# KiCad board ika_left.kicad_pcb
title: KEYBOARD_NAME_HERE; rev: VERSION_HERE; company: YOUR_NAME_HERE
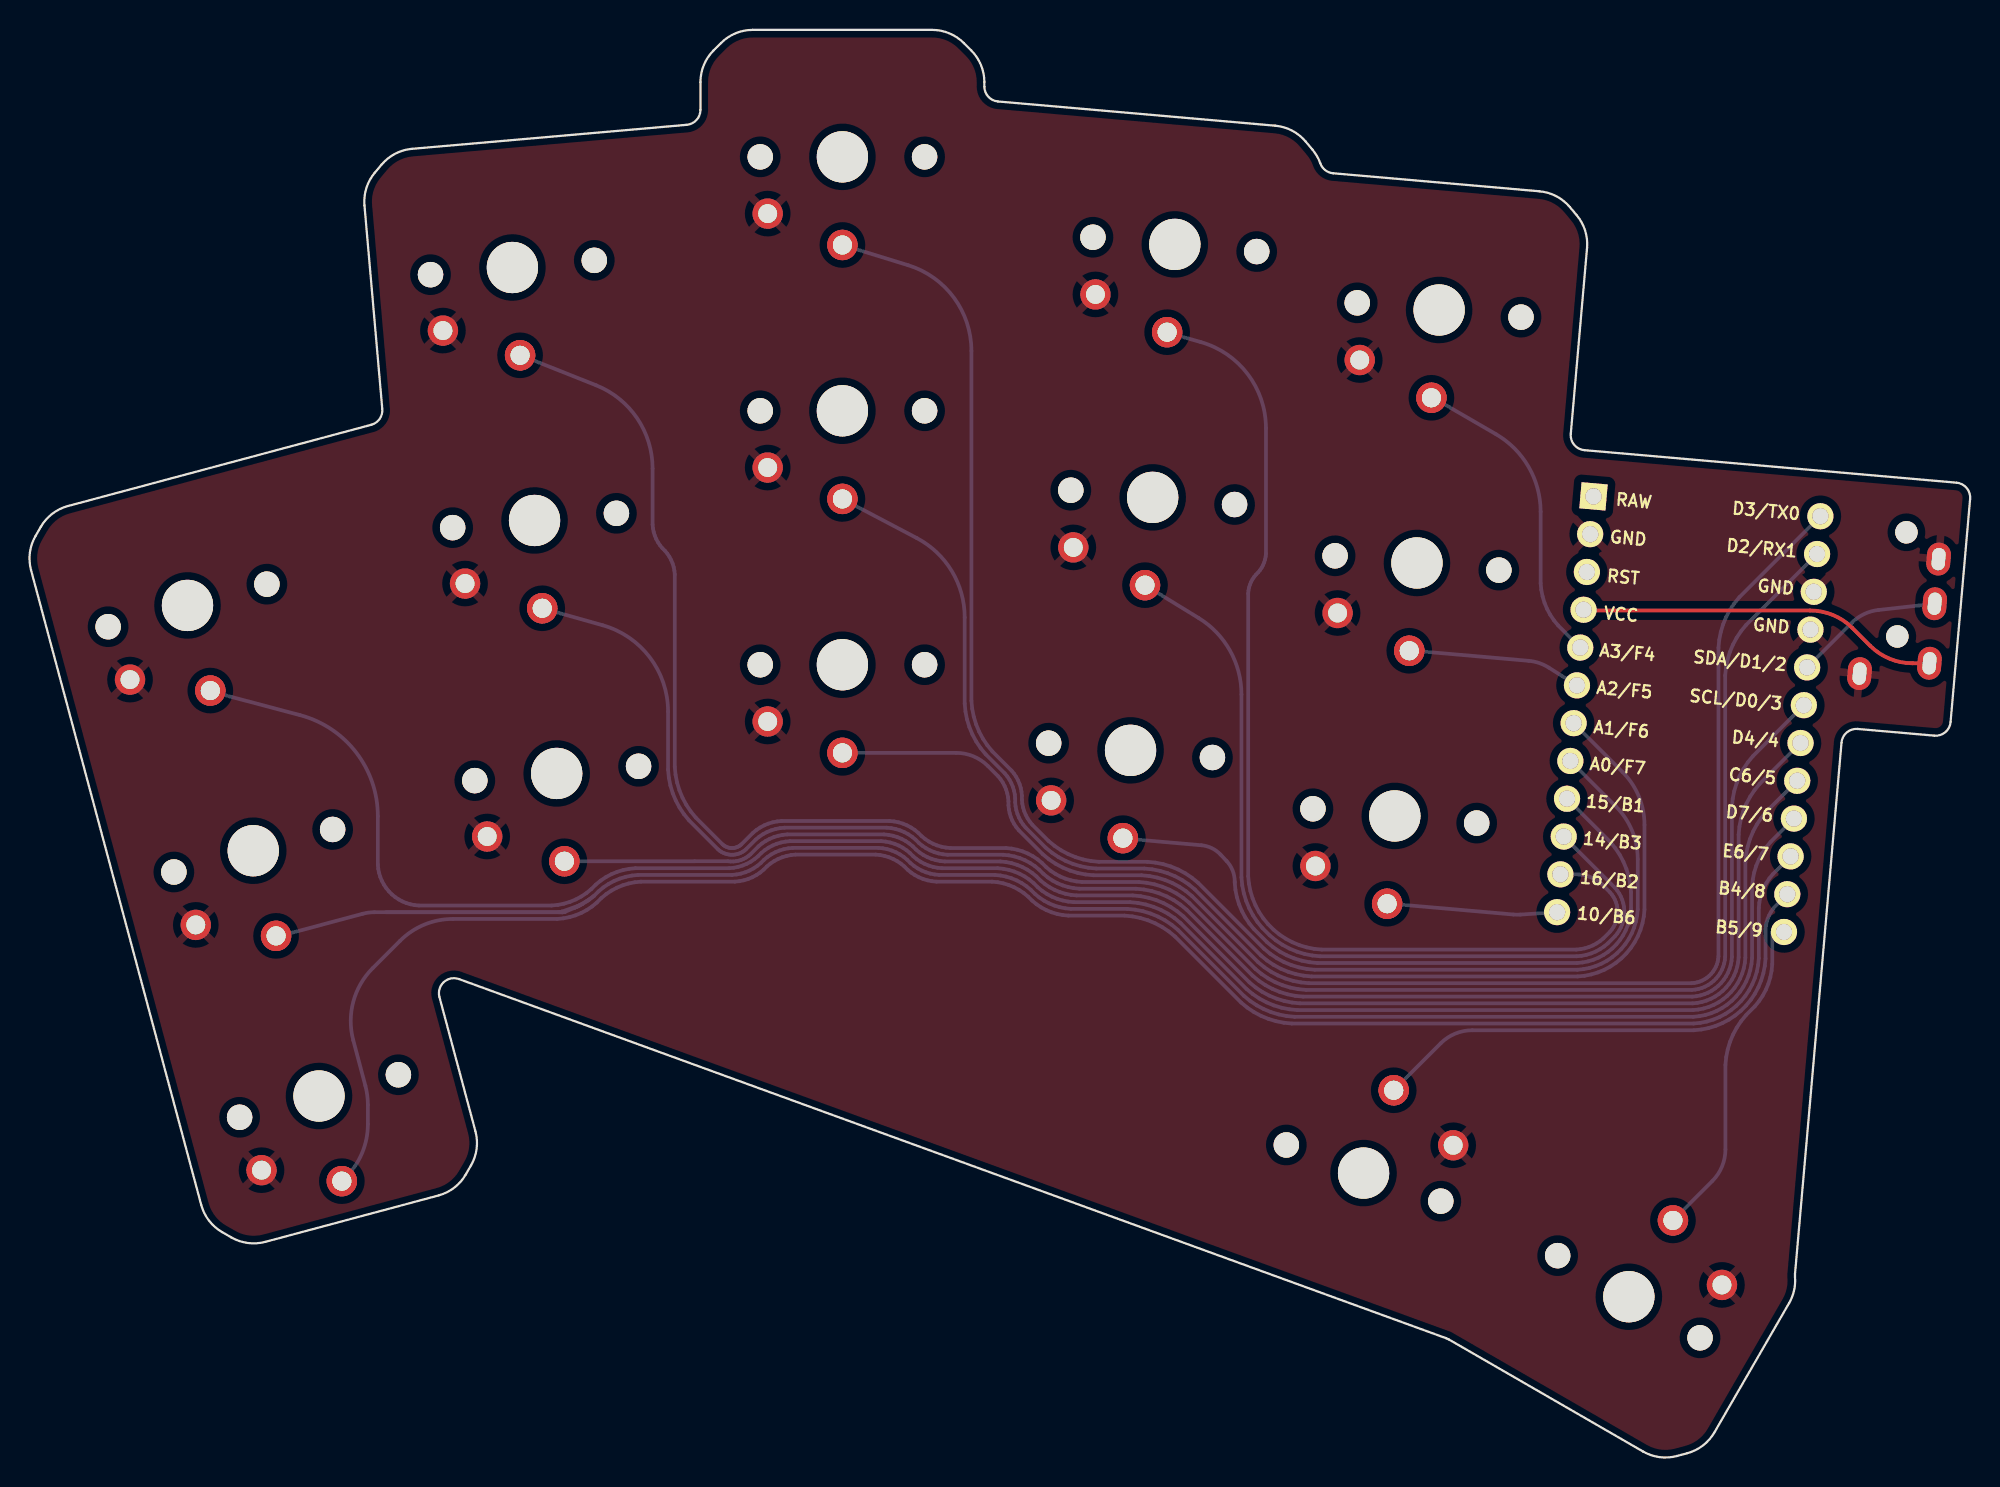
[diagram p0: board, top side]
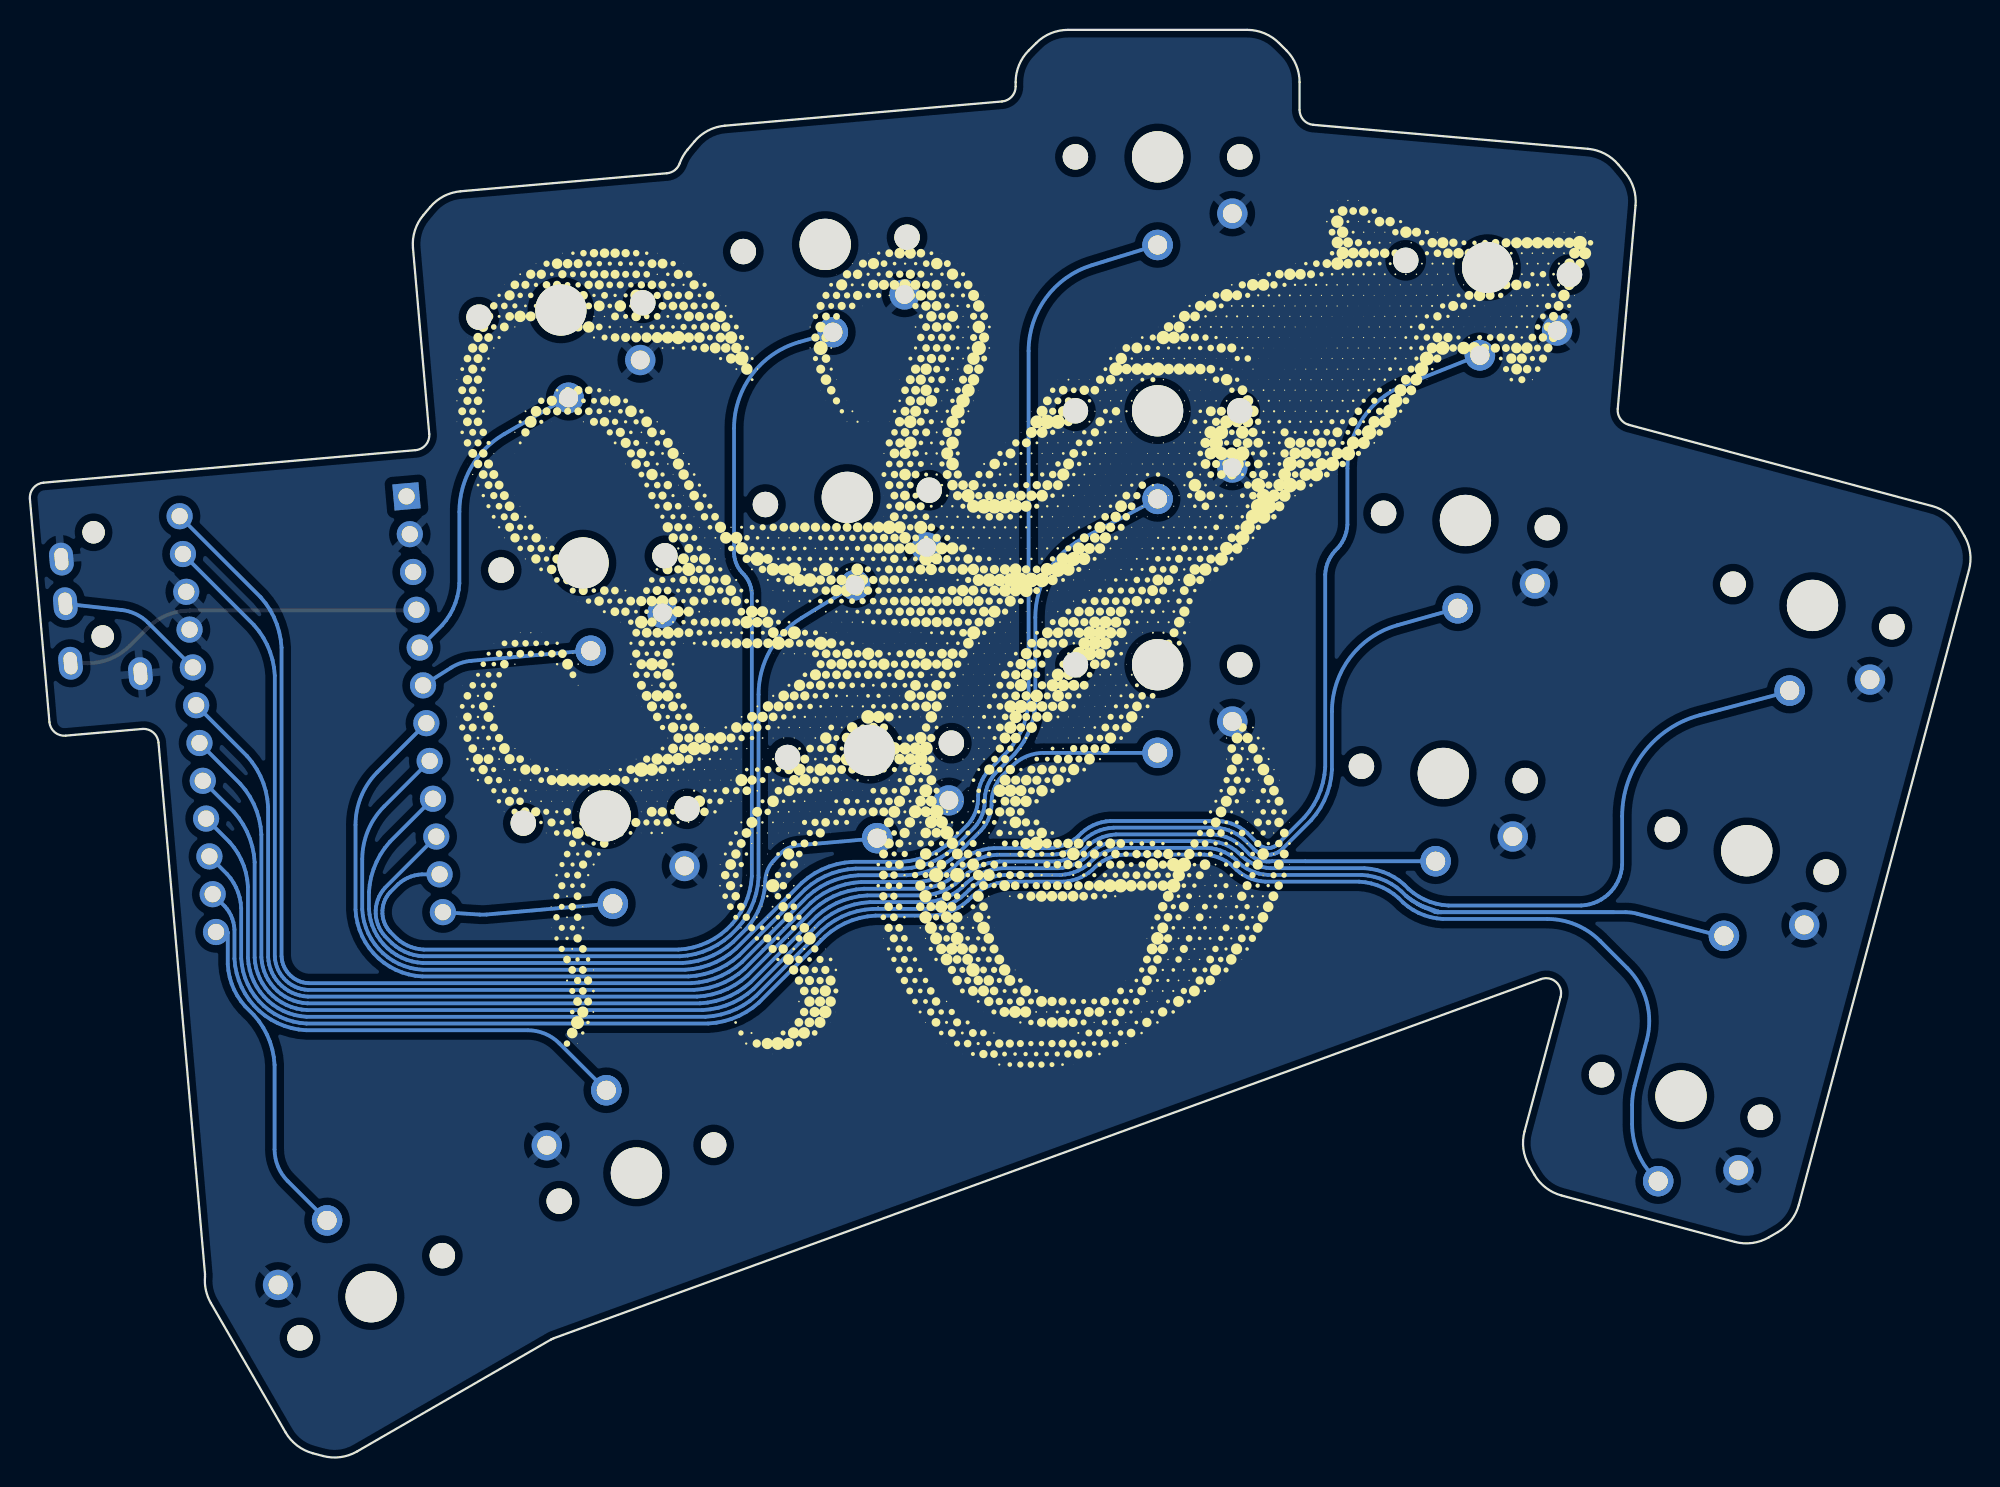
[diagram p1: board, bottom side, seen from below]

Outline 129.83 x 95.55 mm; copper layers: Top, Bottom. Coordinates in mm from the lower left corner of the outline.
Outline path: 29.16,18.91 arc(28.39,18.03) 27.34,17.52 15.75,14.41 arc(14.58,14.33) 13.47,14.71 12.86,15.06 arc(11.98,15.84) 11.46,16.89 0.08,59.39 arc(0,60.55) 0.38,61.66 0.73,62.27 arc(1.5,63.16) 2.55,63.67 22.84,69.11 arc(23.4,69.5) 23.58,70.16 22.39,83.79 arc(22.52,84.96) 23.08,85.98 23.53,86.52 arc(24.45,87.26) 25.57,87.58 43.96,89.19 arc(44.61,89.51) 44.87,90.19 44.87,92.05 arc(45.1,93.19) 45.75,94.17 ; 29.52,19.53 29.16,18.92 ; 29.52,19.53 arc(29.89,20.64) 29.82,21.8 27.41,30.8 arc(27.7,31.8) 28.71,32 94.8,7.95 arc(94.88,7.92) 94.95,7.88 107.94,0.38 arc(109.05,0) 110.22,0.08 ; 45.75,94.17 46.25,94.67 arc(47.22,95.32) 48.37,95.55 60.37,95.55 arc(61.52,95.32) 62.49,94.67 62.99,94.17 ; 62.99,94.17 arc(63.64,93.19) 63.87,92.05 63.87,91.75 arc(64.13,91.07) 64.78,90.75 83.33,89.13 arc(84.46,88.8) 85.37,88.07 ; 85.37,88.07 85.82,87.53 ; 85.83,87.53 arc(86.13,87.09) 86.35,86.61 arc(86.68,86.15) 87.21,85.95 101.02,84.74 arc(102.14,84.41) 103.06,83.68 103.51,83.14 arc(104.07,82.11) 104.2,80.95 103.11,68.5 arc(103.34,67.77) 104.02,67.41 128.92,65.23 arc(129.6,64.88) 129.83,64.15 128.53,49.21 arc(128.17,48.53) 127.44,48.3 122.31,48.75 arc(121.58,48.52) 121.23,47.84 118.12,12.25 arc(118.11,12.16) 118.12,12.08 arc(118.06,11.17) 117.73,10.32 112.73,1.66 arc(111.95,0.78) 110.9,0.26 ; 110.9,0.26 110.22,0.08

## Placement (name value [footprint] x y rotation side)
C1  -  [ProMicro]  111.01 49.74 265 top
S2  -  [PG1350]  19.35 24.17 195 top
S4  -  [PG1350]  14.95 40.59 195 top
S6  -  [PG1350]  10.55 57.02 195 top
S8  -  [PG1350]  35.25 45.77 185 top
S10  -  [PG1350#2]  33.77 62.7 185 top
S12  -  [PG1350]  32.29 79.64 185 top
S14  -  [PG1350]  54.37 53.05 180 top
S16  -  [PG1350]  54.37 70.05 180 top
S18  -  [PG1350]  54.37 87.05 180 top
S20  -  [PG1350]  73.65 47.32 175 top
S22  -  [PG1350]  75.13 64.25 175 top
S24  -  [PG1350]  76.62 81.19 175 top
S26  -  [PG1350]  91.34 42.92 175 top
S28  -  [PG1350]  92.82 59.86 175 top
S30  -  [PG1350]  94.3 76.79 175 top
S32  -  [PG1350]  89.25 19.02 340 top
S34  -  [PG1350]  107 10.74 330 top
T1  -  [TRRS-PJ-320A-dual]  128 63.31 355 top

## Footprints (pads in the part's own frame, mm; a bottom-side part is the same pattern mirrored in y, then rotated)
PG1350
  round 1.702 hole 1.702 unplated: (-5.5,0) (5.5,0)
  round 3.429 hole 3.429 unplated: (0,0)
  round 2.032 hole 1.27: 1(5,3.8) 2(0,5.9) 2(0,5.9)
PG1350#2
  round 1.702 hole 1.702 unplated: (-5.5,0) (5.5,0)
  round 3.429 hole 3.429 unplated: (0,0)
  round 2.032 hole 1.27: 1(5,3.8) 2(0,5.9) m(0,5.9)
ProMicro
  rect 1.753x1.753 hole 1.092: 1(-13.97,-7.62)
  round 1.753 hole 1.092: 2(-11.43,-7.62) 3(-8.89,-7.62) 4(-6.35,-7.62) 5(-3.81,-7.62) 6(-1.27,-7.62) 7(1.27,-7.62) 8(3.81,-7.62) 9(6.35,-7.62) 10(8.89,-7.62) 11(11.43,-7.62) 12(13.97,-7.62) 13(-13.97,7.62) 14(-11.43,7.62) 15(-8.89,7.62) 16(-6.35,7.62) 17(-3.81,7.62) 18(-1.27,7.62) 19(1.27,7.62) 20(3.81,7.62) 21(6.35,7.62) 22(8.89,7.62) 23(11.43,7.62) 24(13.97,7.62)
TRRS-PJ-320A-dual
  round 1.5 hole 1.5 unplated: (-2.3,-1.6) (-2.3,-8.6)
  oval 1.6x2.2 hole 0.9x1.5: 1(-4.6,-11.3) 2(0,-10.2) 3(0,-6.2) 4(0,-3.2)

## Nets
GND: C1.2 C1.15 C1.16 S2.1 S4.1 S6.1 S8.1 S10.1 S12.1 S14.1 S16.1 S18.1 S20.1 S22.1 S24.1 S26.1 S28.1 S30.1 S32.1 S34.1 T1.1 T1.4
VCC: C1.4 T1.2
P0: C1.14 S12.2
P1: C1.13 S14.2
P2: C1.17 T1.3
P3: C1.18 S10.2 S10.m
P4: C1.19 S8.2
P5: C1.20 S6.2
P6: C1.21 S4.2
P7: C1.22 S2.2
P8: C1.23 S32.2
P9: C1.24 S34.2
P10: C1.12 S26.2
P14: C1.10 S22.2
P15: C1.9 S20.2
P16: C1.11 S24.2
P18: C1.8 S18.2
P19: C1.7 S16.2
P20: C1.6 S28.2
P21: C1.5 S30.2
RAW: C1.1
RST: C1.3

## Routing (per net, layer and track width the routed paths; a pad name or vN(x,y) marks a point on that pad's centre or on a via; arc(x,y) is an arc through that point)
VCC: length 24.3
  Top w0.25: C1.4 104.02,56.68 119.13,56.68 arc(120.66,56.37) 121.96,55.51 123.15,54.32 arc(124.44,53.45) 125.97,53.14 T1.2
P0: length 141.1
  Bottom w0.25: 32.84,73.76 37.89,71.75 arc(40.63,69.55) 41.67,66.18 41.67,62.43 41.69,62.18 41.74,61.94 41.81,61.7 41.91,61.47 42.03,61.25 42.17,61.04 42.32,60.85 42.5,60.67 42.66,60.48 42.8,60.27 42.91,60.05 43.01,59.82 43.08,59.58 43.13,59.34 43.15,59.09 43.15,46.2 43.21,45.67 43.31,45.15 43.47,44.64 43.67,44.14 43.92,43.67 44.22,43.23 44.56,42.81 46.36,41.02 46.43,40.96 46.5,40.91 46.58,40.86 46.67,40.83 46.76,40.8 46.85,40.78 46.94,40.78 47.03,40.78 47.12,40.78 47.21,40.8 47.3,40.83 47.38,40.86 47.46,40.91 47.54,40.96 47.61,41.02 48.38,41.79 48.61,41.98 48.87,42.15 49.14,42.29 49.42,42.41 49.71,42.5 50,42.56 50.31,42.59 57.53,42.59 57.83,42.56 58.13,42.5 58.42,42.41 58.7,42.29 58.97,42.15 59.22,41.98 59.45,41.79 59.67,41.57 59.9,41.38 60.16,41.21 60.42,41.07 60.7,40.95 61,40.86 61.29,40.8 61.6,40.78 65.31,40.78 65.69,40.74 66.06,40.66 66.43,40.55 66.78,40.41 67.12,40.23 67.43,40.02 67.73,39.77 68,39.5 68.29,39.26 68.61,39.05 68.95,38.87 69.3,38.72 69.66,38.61 70.04,38.54 70.42,38.5 74.2,38.5 74.73,38.45 75.26,38.35 75.77,38.19 76.26,37.99 76.73,37.73 77.18,37.44 77.59,37.1 82.01,32.68 82.42,32.34 82.86,32.05 83.34,31.79 83.83,31.59 84.34,31.43 84.87,31.33 85.4,31.28 111.22,31.28 111.45,31.3 111.67,31.35 111.89,31.41 112.1,31.5 112.31,31.61 112.5,31.74 112.68,31.88 112.84,32.05 112.99,32.22 113.11,32.41 113.22,32.62 113.31,32.83 113.38,33.05 113.42,33.28 113.44,33.5 113.44,52.32 113.5,52.85 113.6,53.38 113.76,53.89 113.96,54.38 114.21,54.86 114.51,55.3 114.85,55.71 C1.14
P1: length 98.3
  Bottom w0.25: C1.13 114.4,57.57 114.06,57.16 113.76,56.72 113.51,56.24 113.31,55.75 113.15,55.24 113.05,54.71 112.99,54.18 112.99,33.53 112.98,33.34 112.94,33.16 112.89,32.98 112.81,32.81 112.73,32.65 112.62,32.49 112.51,32.35 112.37,32.22 112.23,32.1 112.08,31.99 111.91,31.91 111.74,31.84 111.56,31.78 111.38,31.75 111.2,31.73 85.58,31.73 85.05,31.78 84.53,31.88 84.02,32.04 83.52,32.24 83.05,32.5 82.61,32.79 82.19,33.13 77.78,37.55 77.36,37.89 76.92,38.18 76.45,38.44 75.95,38.64 75.44,38.8 74.92,38.9 74.39,38.95 71.17,38.95 70.64,39.01 70.12,39.11 69.61,39.26 69.11,39.47 68.64,39.72 68.2,40.02 67.78,40.36 66.18,41.96 66.01,42.17 65.86,42.39 65.74,42.62 65.64,42.86 65.56,43.12 65.51,43.38 65.48,43.64 65.48,43.91 65.46,44.17 65.4,44.43 65.33,44.68 65.23,44.93 65.1,45.16 64.95,45.38 64.79,45.59 64.11,46.27 arc(63.13,46.92) 61.98,47.15 S14.2
P2: length 10
  Bottom w0.25: T1.3 123.7,56.71 arc(122.74,56.44) 121.91,55.85 C1.17
P3: length 114.6
  Bottom w0.25: S10.2 38.33,55.69 arc(41.49,53.54) 42.7,49.91 42.7,46.02 42.76,45.49 42.86,44.96 43.02,44.45 43.22,43.96 43.47,43.48 43.77,43.04 44.11,42.63 46.05,40.68 46.16,40.6 46.27,40.52 46.39,40.46 46.52,40.4 46.65,40.36 46.78,40.34 46.91,40.33 47.05,40.33 47.18,40.34 47.32,40.36 47.45,40.4 47.57,40.46 47.69,40.52 47.8,40.6 47.91,40.68 48.57,41.34 48.8,41.53 49.05,41.7 49.32,41.84 49.6,41.96 49.89,42.05 50.19,42.11 50.49,42.14 57.34,42.14 57.64,42.11 57.94,42.05 58.23,41.96 58.51,41.84 58.78,41.7 59.03,41.53 59.27,41.34 59.48,41.12 59.72,40.93 59.97,40.76 60.24,40.62 60.52,40.5 60.81,40.41 61.11,40.35 61.41,40.33 65.13,40.33 65.5,40.29 65.88,40.21 66.24,40.1 66.6,39.96 66.93,39.78 67.25,39.57 67.54,39.32 67.81,39.05 68.11,38.81 68.42,38.6 68.76,38.42 69.11,38.27 69.48,38.16 69.85,38.09 70.23,38.05 74.01,38.05 74.54,38 75.07,37.9 75.58,37.74 76.07,37.54 76.55,37.28 76.99,36.99 77.4,36.65 81.82,32.23 82.23,31.89 82.68,31.6 83.15,31.34 83.64,31.14 84.15,30.98 84.68,30.88 85.21,30.83 111.24,30.83 111.51,30.85 111.78,30.91 112.04,30.99 112.3,31.09 112.54,31.22 112.77,31.37 112.98,31.55 113.17,31.74 113.35,31.95 113.5,32.18 113.63,32.42 113.73,32.68 113.81,32.94 113.87,33.21 113.89,33.48 113.89,43.54 113.95,44.07 114.05,44.59 114.21,45.11 114.41,45.6 114.66,46.07 114.96,46.52 115.3,46.93 C1.18
P4: length 100.3
  Bottom w0.25: C1.19 115.75,45.07 115.41,44.66 115.11,44.21 114.86,43.74 114.66,43.25 114.5,42.73 114.4,42.21 114.34,41.68 114.34,33.46 114.31,33.14 114.25,32.83 114.16,32.53 114.04,32.23 113.89,31.95 113.71,31.69 113.51,31.44 113.28,31.21 113.04,31.01 112.77,30.84 112.49,30.69 112.2,30.56 111.89,30.47 111.58,30.41 111.26,30.38 85,30.38 84.47,30.43 83.94,30.53 83.43,30.69 82.94,30.89 82.47,31.15 82.02,31.44 81.61,31.78 77.19,36.2 76.78,36.54 76.34,36.83 75.86,37.09 75.37,37.29 74.86,37.45 74.33,37.55 73.8,37.6 70.04,37.6 69.66,37.64 69.29,37.71 68.93,37.82 68.57,37.97 68.24,38.15 67.92,38.36 67.63,38.6 67.36,38.87 67.06,39.12 66.75,39.33 66.41,39.51 66.06,39.65 65.69,39.76 65.32,39.84 64.94,39.88 61.22,39.88 60.92,39.9 60.62,39.96 60.33,40.05 60.05,40.17 59.78,40.31 59.53,40.48 59.3,40.67 59.08,40.89 58.85,41.08 58.59,41.25 58.33,41.39 58.04,41.51 57.75,41.6 57.46,41.66 57.15,41.69 50.68,41.69 50.38,41.66 50.08,41.6 49.79,41.51 49.51,41.39 49.24,41.25 48.99,41.08 48.75,40.89 48.21,40.35 48.07,40.23 47.92,40.13 47.76,40.05 47.6,39.98 47.43,39.93 47.25,39.89 47.07,39.88 46.89,39.88 46.71,39.89 44.48,39.89 ; S8.2 44.48,39.89
P5: length 131.5
  Bottom w0.25: 11.98,51.29 18.08,49.67 arc(21.83,47.17) 23.28,42.91 23.28,39.66 23.31,39.38 23.37,39.1 23.45,38.83 23.56,38.57 23.69,38.32 23.85,38.09 24.03,37.87 24.23,37.67 24.45,37.49 24.68,37.33 24.93,37.2 25.19,37.09 25.46,37.01 25.74,36.96 26.02,36.93 34.91,36.93 35.33,36.97 35.74,37.05 36.14,37.17 36.53,37.33 36.9,37.53 37.25,37.76 37.57,38.03 37.87,38.32 38.19,38.59 38.54,38.82 38.91,39.02 39.29,39.18 39.7,39.3 40.11,39.38 40.52,39.43 46.8,39.43 47.1,39.45 47.4,39.51 47.69,39.6 47.97,39.72 48.24,39.86 48.49,40.03 48.72,40.22 48.94,40.44 49.17,40.63 49.43,40.8 49.69,40.94 49.98,41.06 50.27,41.15 50.56,41.21 50.87,41.24 56.97,41.24 57.27,41.21 57.57,41.15 57.86,41.06 58.14,40.94 58.41,40.8 58.66,40.63 58.89,40.44 59.11,40.22 59.34,40.03 59.6,39.86 59.86,39.72 60.15,39.6 60.44,39.51 60.73,39.45 61.04,39.43 64.75,39.43 65.13,39.39 65.51,39.31 65.87,39.2 66.22,39.06 66.56,38.88 66.88,38.67 67.17,38.42 67.44,38.15 67.73,37.91 68.05,37.7 68.39,37.52 68.74,37.37 69.1,37.26 69.48,37.19 69.86,37.15 73.62,37.15 74.15,37.1 74.67,37 75.18,36.84 75.68,36.64 76.15,36.38 76.59,36.09 77.01,35.75 81.42,31.33 81.84,30.99 82.28,30.7 82.75,30.44 83.25,30.24 83.76,30.08 84.28,29.98 84.81,29.93 111.28,29.93 111.64,29.96 112,30.03 112.35,30.14 112.68,30.28 113,30.45 113.3,30.65 113.58,30.88 113.84,31.14 114.07,31.42 114.27,31.72 114.44,32.04 114.58,32.37 114.69,32.72 114.76,33.08 114.79,33.44 114.79,39.82 114.85,40.35 114.95,40.88 115.11,41.39 115.31,41.88 115.56,42.35 115.86,42.8 116.2,43.21 C1.20
P6: length 131.5
  Bottom w0.25: 35.45,36.48 35.39,36.48 ; 35.45,36.48 35.48,36.49 ; 35.45,36.48 35.53,36.48 ; 35.39,36.48 35.48,36.49 ; 35.39,36.48 23.05,36.48 arc(22.66,36.45) 22.27,36.38 17.12,34.99 ; 36.81,36.95 36.98,37.04 ; 36.81,36.95 36.73,36.9 ; 36.81,36.95 35.6,36.52 ; 36.98,37.04 37.26,37.21 ; 36.98,37.04 36.73,36.9 ; 35.83,36.51 35.74,36.49 ; 35.83,36.51 35.77,36.5 ; 35.83,36.51 36.45,36.77 ; 35.74,36.49 35.77,36.5 ; 35.74,36.49 35.69,36.48 ; 35.77,36.5 35.64,36.48 ; C1.21 116.48,41.18 116.18,40.82 115.92,40.43 115.7,40.01 115.52,39.58 115.38,39.13 115.29,38.67 115.24,38.2 115.24,33.42 115.2,33.01 115.12,32.61 115.01,32.22 114.85,31.85 114.66,31.49 114.43,31.15 114.17,30.83 113.89,30.55 113.57,30.29 113.23,30.06 112.88,29.87 112.5,29.72 112.11,29.6 111.71,29.52 111.31,29.48 84.63,29.48 84.1,29.53 83.57,29.63 83.06,29.79 82.57,29.99 82.09,30.25 81.65,30.54 81.24,30.88 76.82,35.3 76.41,35.64 75.96,35.93 75.49,36.19 75,36.39 74.49,36.55 73.96,36.65 73.43,36.7 69.67,36.7 69.29,36.74 68.92,36.81 68.55,36.92 68.2,37.07 67.87,37.25 67.55,37.46 67.25,37.7 66.98,37.97 66.69,38.22 66.37,38.43 66.04,38.61 65.68,38.75 65.32,38.86 64.95,38.94 64.57,38.98 60.85,38.98 60.55,39 60.25,39.06 59.96,39.15 59.68,39.27 59.41,39.41 59.16,39.58 58.92,39.77 58.71,39.99 58.47,40.18 58.22,40.35 57.95,40.49 57.67,40.61 57.38,40.7 57.08,40.76 56.78,40.79 51.05,40.79 50.75,40.76 50.45,40.7 50.16,40.61 49.88,40.49 49.61,40.35 49.36,40.18 49.13,39.99 48.91,39.77 48.68,39.58 48.42,39.41 48.16,39.27 47.87,39.15 47.58,39.06 47.29,39 46.98,38.98 40.71,38.98 40.29,38.93 39.88,38.85 39.48,38.73 39.09,38.57 38.72,38.37 38.38,38.14 38.05,37.87 37.76,37.58 ; 36.45,36.77 36.63,36.85 ; 36.45,36.77 36.71,36.91 ; 37.43,37.32 36.71,36.91 ; 37.43,37.32 37.26,37.21 ; 37.43,37.32 37.76,37.58 ; 36.71,36.91 36.63,36.85 ; 35.56,36.48 35.53,36.48 ; 35.56,36.48 35.6,36.48 ; 35.56,36.48 35.56,36.49 ; 35.53,36.48 35.56,36.49 ; 37.26,37.21 37.76,37.58 ; 35.48,36.49 35.57,36.51 ; 35.56,36.49 35.57,36.5 ; 35.6,36.48 35.64,36.48 ; 35.6,36.48 35.63,36.48 ; 35.64,36.48 35.63,36.48 ; 35.64,36.48 35.63,36.48 ; 35.64,36.48 35.66,36.48 ; 35.64,36.48 35.69,36.48 ; 35.66,36.48 35.69,36.48 ; 35.66,36.48 23.83,36.48 ; 35.57,36.51 35.57,36.5 ; 35.57,36.51 35.6,36.52 ; 36.63,36.85 36.73,36.9 ; 35.57,36.5 35.6,36.52
P7: length 123.9
  Bottom w0.25: C1.22 116.63,39.03 116.41,38.75 116.21,38.45 116.04,38.14 115.9,37.81 115.8,37.47 115.73,37.12 115.69,36.76 115.69,33.39 115.65,32.95 115.56,32.5 115.43,32.07 115.26,31.65 115.05,31.26 114.79,30.88 114.51,30.53 114.19,30.21 113.84,29.93 113.47,29.68 113.07,29.46 112.65,29.29 112.22,29.16 111.78,29.07 111.33,29.03 84.44,29.03 83.91,29.08 83.38,29.18 82.87,29.34 82.38,29.54 81.91,29.8 81.46,30.09 81.05,30.43 76.63,34.85 76.22,35.19 75.78,35.48 75.3,35.74 74.81,35.94 74.3,36.1 73.77,36.2 73.24,36.25 69.48,36.25 69.11,36.29 68.73,36.36 68.37,36.47 68.01,36.62 67.68,36.8 67.36,37.01 67.07,37.25 66.8,37.52 66.5,37.77 66.19,37.98 65.85,38.16 65.5,38.3 65.13,38.41 64.76,38.49 64.38,38.53 60.66,38.53 60.36,38.55 60.06,38.61 59.77,38.7 59.49,38.82 59.22,38.96 58.97,39.13 58.74,39.32 58.52,39.54 58.29,39.73 58.03,39.9 57.77,40.04 57.49,40.16 57.19,40.25 56.9,40.31 56.59,40.34 51.24,40.34 50.94,40.31 50.64,40.25 50.35,40.16 50.07,40.04 49.8,39.9 49.55,39.73 49.31,39.54 49.1,39.32 48.86,39.13 48.61,38.96 48.34,38.82 48.06,38.7 47.77,38.61 47.47,38.55 47.17,38.53 40.9,38.53 40.48,38.48 40.07,38.4 39.67,38.28 39.28,38.12 38.91,37.92 38.56,37.69 38.24,37.42 37.94,37.13 37.62,36.86 37.27,36.63 36.9,36.43 36.51,36.27 36.11,36.15 35.7,36.07 35.29,36.03 28.31,36.03 arc(26.39,35.65) 24.77,34.56 22.94,32.73 arc(21.64,30.49) 21.64,27.91 22.45,24.86 arc(22.58,24.23) 22.62,23.58 22.62,22.29 arc(22.24,20.38) 21.15,18.75 S2.2
P8: length 33.9
  Bottom w0.25: S32.2 94.4,27.7 arc(95.38,28.35) 96.52,28.58 111.35,28.58 111.84,28.63 112.33,28.72 112.8,28.87 113.26,29.06 113.7,29.29 114.11,29.56 114.49,29.88 114.84,30.23 115.16,30.61 115.43,31.02 115.67,31.46 115.86,31.92 116,32.39 116.1,32.88 116.14,33.37 116.14,35.32 116.17,35.56 116.22,35.8 116.29,36.04 116.38,36.26 116.5,36.48 116.63,36.68 116.79,36.87 C1.23
P9: length 22.3
  Bottom w0.25: 117.38,35 117.37,35.03 117.36,35.06 117.34,35.09 117.32,35.12 117.29,35.14 117.26,35.15 117.22,35.15 116.67,35.15 116.66,35.15 116.64,35.15 116.63,35.14 116.62,35.13 116.61,35.12 116.6,35.1 116.59,35.09 116.59,35.08 116.59,33 116.55,32.56 116.46,32.12 116.33,31.69 116.16,31.28 115.95,30.89 115.7,30.52 115.42,30.17 114.84,29.59 114.51,29.19 114.22,28.75 113.97,28.29 113.77,27.8 113.61,27.3 113.51,26.78 113.46,26.26 113.46,20.6 arc(113.23,19.45) 112.58,18.48 S34.2
P10: length 11.5
  Bottom w0.25: 102.16,36.51 102.17,36.5 102.18,36.5 C1.12 99.73,36.32 arc(99.5,36.31) 99.27,36.32 90.75,37.07
P14: length 59.3
  Bottom w0.25: C1.10 106.07,38.11 106.22,37.93 106.35,37.73 106.47,37.52 106.56,37.3 106.62,37.08 106.67,36.85 106.69,36.61 106.69,36.37 106.67,36.14 106.62,35.91 106.56,35.68 106.47,35.46 106.35,35.25 106.22,35.06 106.07,34.87 105.59,34.39 105.34,34.19 105.07,34 104.77,33.85 104.47,33.72 104.15,33.62 103.83,33.56 103.5,33.53 86.35,33.53 85.82,33.58 85.3,33.68 84.79,33.84 84.29,34.04 83.82,34.3 83.38,34.59 82.96,34.93 82.48,35.42 82.14,35.83 81.84,36.27 81.59,36.75 81.39,37.24 81.23,37.75 81.13,38.28 81.07,38.81 81.07,51.06 arc(80.31,53.99) 78.21,56.18 S22.2
P15: length 49.2
  Bottom w0.25: C1.9 105.75,41.19 106.08,40.78 106.38,40.34 106.63,39.87 106.83,39.37 106.99,38.87 107.09,38.34 107.14,37.82 107.14,36.7 107.11,36.33 107.03,35.96 106.93,35.6 106.78,35.25 106.61,34.93 106.4,34.61 106.16,34.32 105.9,34.06 105.61,33.82 105.3,33.62 104.97,33.44 104.62,33.3 104.26,33.19 103.9,33.11 103.52,33.08 86.17,33.08 85.64,33.13 85.11,33.23 84.6,33.39 84.11,33.59 83.63,33.85 83.19,34.14 82.78,34.48 81.91,35.34 81.6,35.72 81.33,36.13 81.1,36.56 80.91,37.02 80.77,37.49 80.67,37.97 80.62,38.46 80.62,38.53 arc(80.48,39.27) 80.08,39.9 79.67,40.34 arc(79.09,40.77) 78.39,40.96 73.15,41.42
P16: length 74.3
  Bottom w0.25: 76.08,75.29 78.35,74.65 arc(81.5,72.49) 82.71,68.87 82.71,60.49 82.69,60.29 82.66,60.09 82.6,59.9 82.52,59.72 82.43,59.54 82.32,59.38 82.19,59.22 82.05,59.08 81.92,58.93 81.81,58.76 81.72,58.59 81.64,58.4 81.58,58.21 81.54,58.01 81.52,57.82 81.52,38.89 81.57,38.39 81.67,37.89 81.82,37.4 82.02,36.94 82.25,36.49 82.54,36.06 82.86,35.67 83.22,35.31 83.61,34.99 84.03,34.71 84.48,34.47 84.95,34.27 85.44,34.13 85.94,34.03 86.44,33.98 103.48,33.98 103.76,34.01 104.04,34.06 104.32,34.14 104.58,34.25 104.83,34.39 105.07,34.55 105.29,34.73 105.74,35.17 105.86,35.32 105.97,35.48 106.06,35.65 106.13,35.83 106.19,36.02 106.23,36.2 106.24,36.4 106.24,36.59 106.23,36.78 106.19,36.97 106.13,37.15 106.06,37.33 105.97,37.5 105.86,37.66 105.74,37.81 105.19,38.35 105,38.51 104.79,38.65 104.57,38.77 104.34,38.87 104.1,38.94 103.85,38.99 103.6,39.01 C1.11
P18: length 102.8
  Bottom w0.25: C1.8 106.13,43.56 arc(107.21,41.94) 107.59,40.02 107.59,36.68 107.55,36.26 107.47,35.85 107.35,35.45 107.19,35.06 106.99,34.69 106.76,34.35 106.5,34.02 106.2,33.73 105.88,33.46 105.53,33.23 105.16,33.03 104.77,32.87 104.37,32.75 103.96,32.67 103.55,32.63 85.98,32.63 85.45,32.68 84.92,32.78 84.41,32.94 83.92,33.14 83.45,33.4 83,33.69 82.59,34.03 78.17,38.45 77.76,38.79 77.32,39.08 76.84,39.34 76.35,39.54 75.84,39.7 75.31,39.8 74.78,39.85 71.54,39.85 71.01,39.9 70.49,40.01 69.98,40.16 69.48,40.37 69.01,40.62 68.57,40.91 68.16,41.25 67.08,42.33 66.91,42.54 66.76,42.76 66.64,42.99 66.54,43.24 66.46,43.49 66.41,43.75 66.38,44.01 66.38,44.28 66.36,44.54 66.3,44.8 66.23,45.06 66.13,45.3 66,45.54 65.85,45.76 65.69,45.96 64.41,47.24 64.07,47.65 63.77,48.1 63.52,48.57 63.32,49.06 63.16,49.57 63.06,50.1 63,50.63 63,74.06 arc(61.83,77.62) 58.77,79.79 S18.2
P19: length 89
  Bottom w0.25: C1.7 106.58,45.86 arc(107.66,44.24) 108.04,42.32 108.04,36.65 108,36.19 107.91,35.74 107.77,35.3 107.6,34.87 107.38,34.46 107.12,34.08 106.83,33.72 106.5,33.39 106.14,33.1 105.76,32.84 105.35,32.62 104.93,32.45 104.48,32.31 104.03,32.22 103.57,32.18 85.77,32.18 85.24,32.23 84.71,32.33 84.2,32.49 83.71,32.69 83.24,32.95 82.79,33.24 82.38,33.58 77.96,38 77.55,38.34 77.11,38.63 76.63,38.89 76.14,39.09 75.63,39.25 75.1,39.35 74.57,39.4 71.36,39.4 70.83,39.46 70.3,39.56 69.79,39.71 69.3,39.92 68.83,40.17 68.38,40.47 67.97,40.81 66.63,42.15 66.46,42.35 66.31,42.57 66.19,42.81 66.09,43.05 66.01,43.3 65.96,43.56 65.93,43.83 65.93,44.09 65.91,44.36 65.85,44.62 65.78,44.87 65.68,45.12 65.55,45.35 65.4,45.57 65.24,45.77 63.96,47.05 63.62,47.46 63.32,47.91 63.07,48.38 62.87,48.87 62.71,49.39 62.61,49.91 62.55,50.44 62.55,56.22 arc(61.69,59.32) 59.35,61.52 S16.2
P20: length 11.7
  Bottom w0.25: C1.6 103.52,51.67 101.64,52.85 arc(100.99,53.16) 100.3,53.31 92.27,54.01
P21: length 21.1
  Bottom w0.25: C1.5 102.26,55.68 101.98,56.02 101.73,56.39 101.52,56.79 101.35,57.2 101.22,57.62 101.14,58.06 101.09,58.5 101.09,63.29 arc(100.29,66.29) 98.1,68.48 93.9,70.92

## Copper pours and planes (outline as drawn; the poured copper is in the pictures)
GND on Top: 131.74,-2.66 -3.12,-2.64 -3.04,97.3 131.82,97.31
GND on Bottom: 131.74,-2.66 -3.12,-2.64 -3.04,97.31 131.82,97.31
